# Altium PCB CL-HC-M-V2.1gerber.PcbDoc (part 8 of 18)
Units mil, origin at the board's own origin, x right, y up, seen from the top; angles counter-clockwise.
Board outline 27559.06 x 27559.06 mil, 2 copper layers (TopLayer, BottomLayer); 757 components, 558 nets, 2605 pads, 2186 vias.
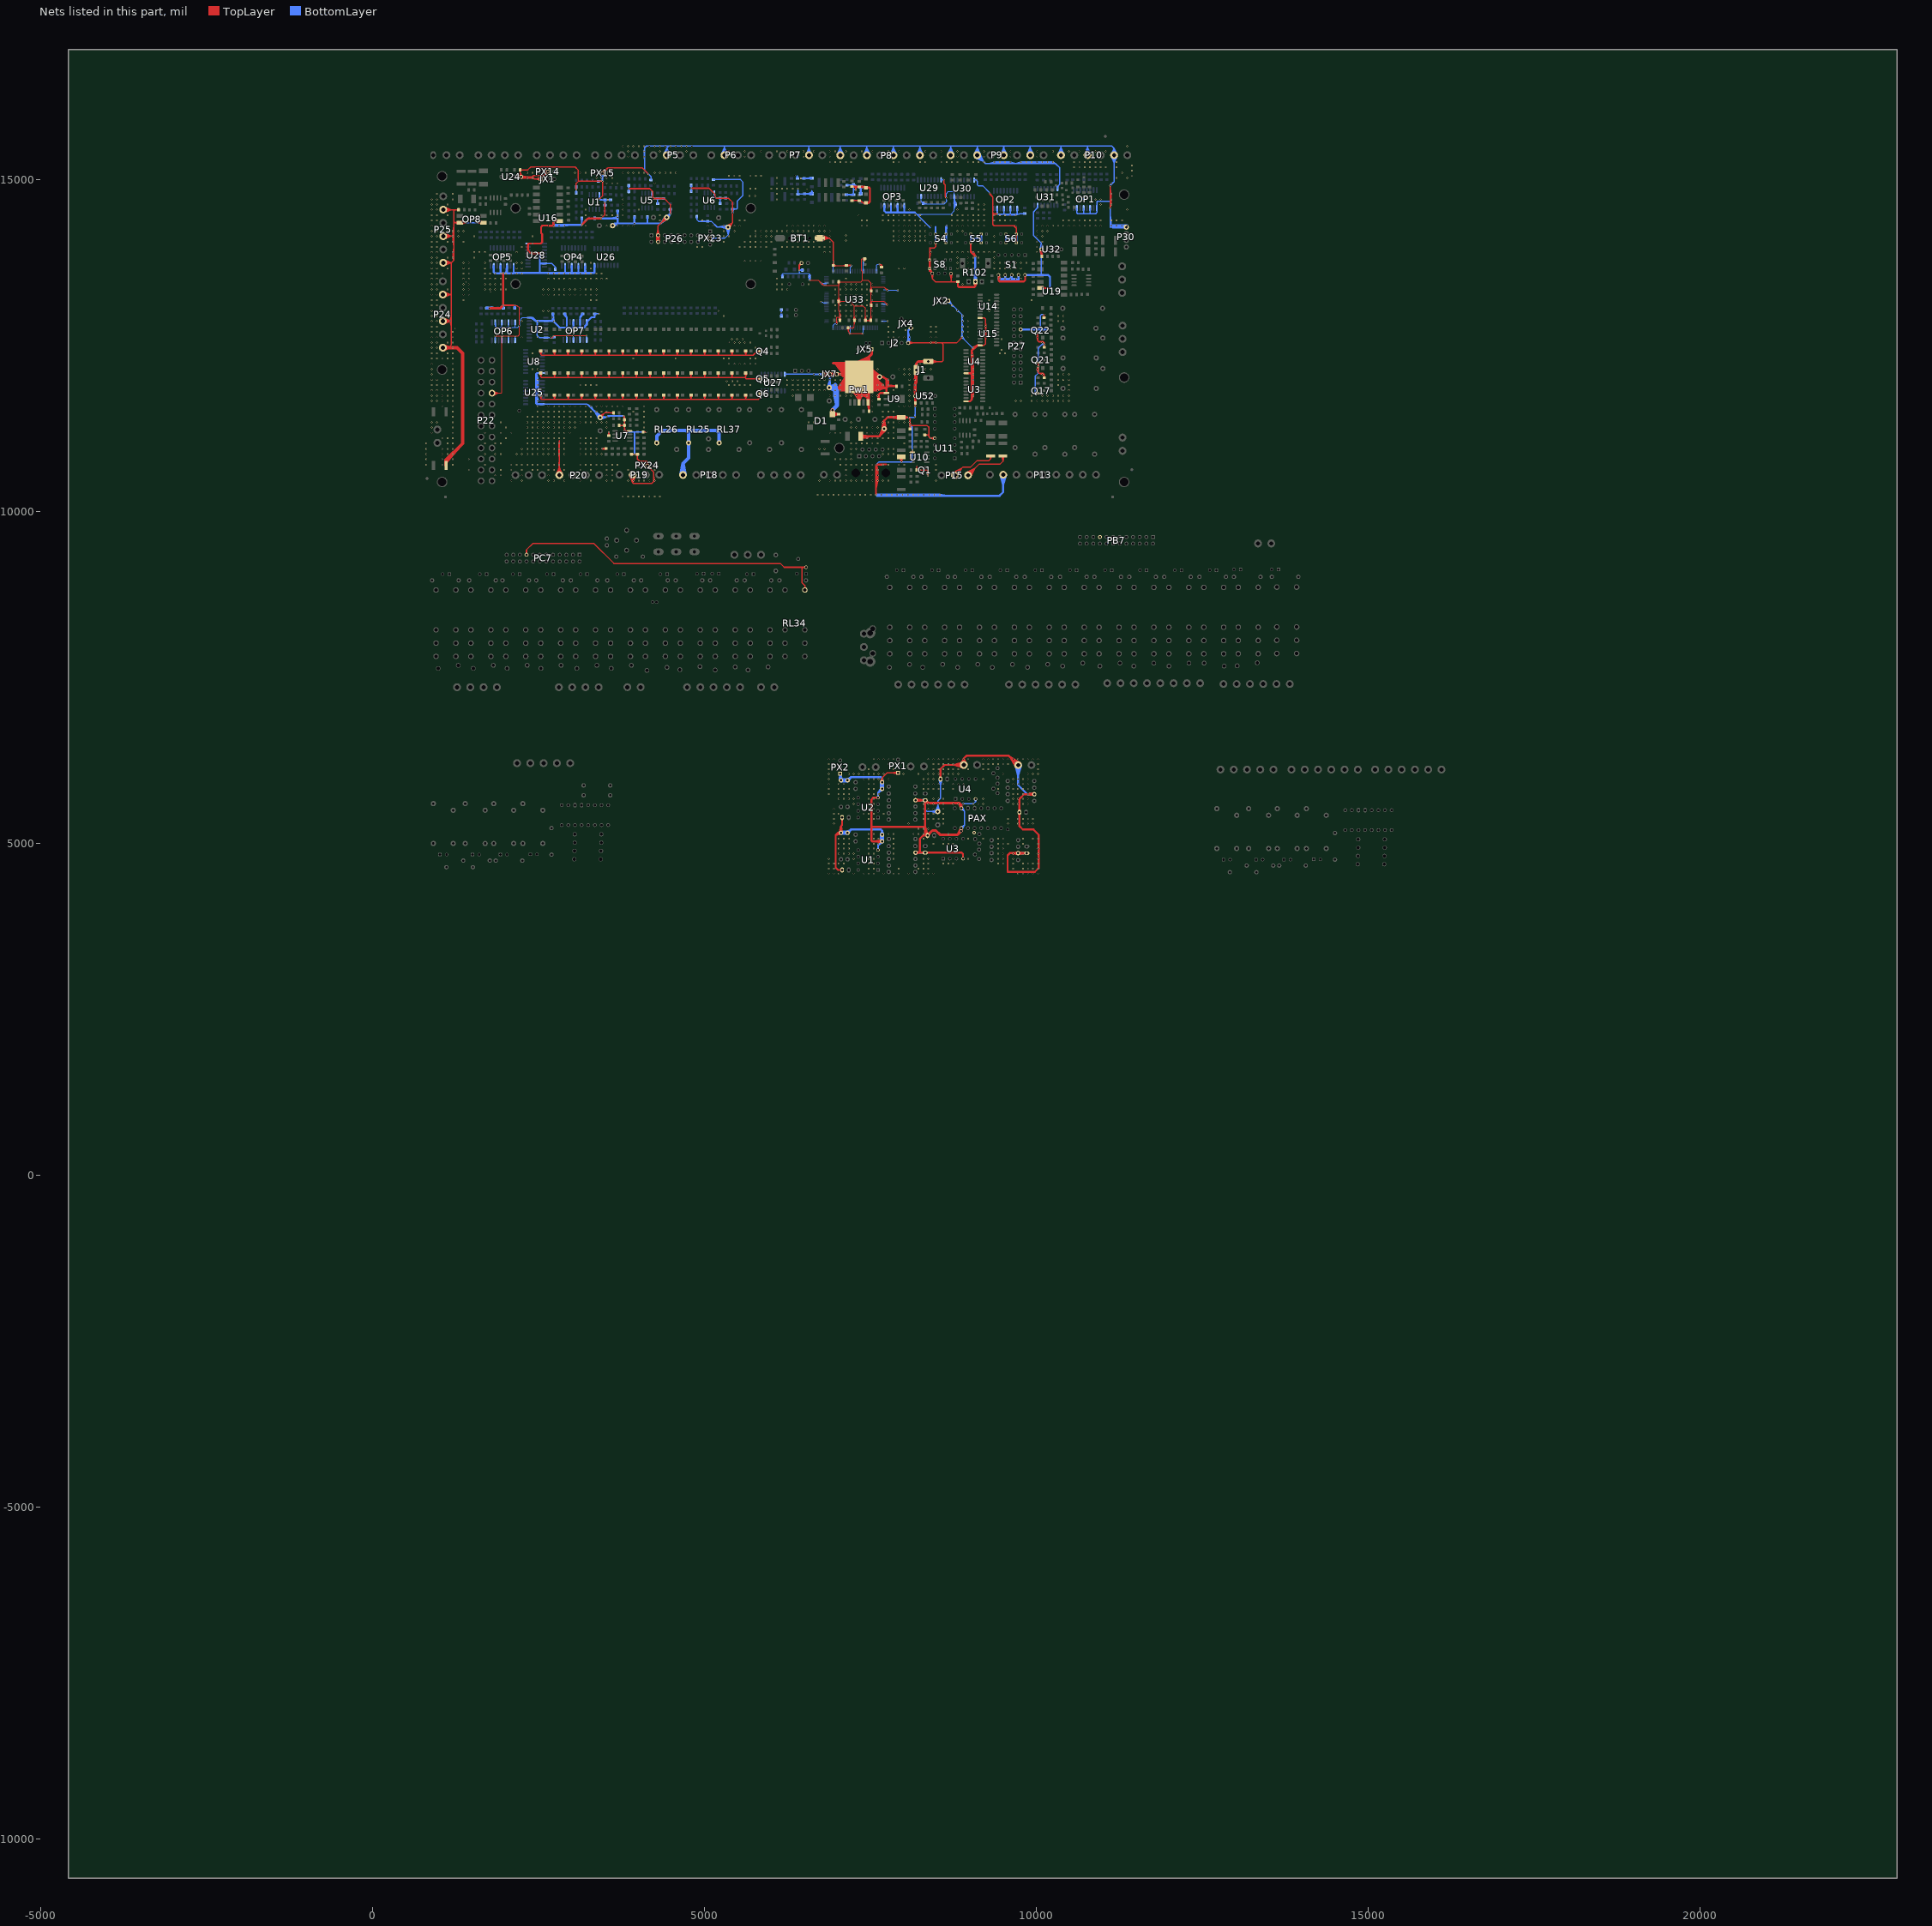
[diagram p8: the nets of this part, all layers, seen from the top]

## Via types
v1: diameter 25, hole 15, TopLayer to BottomLayer, tented both sides, 2146 vias
v2: diameter 20, hole 12, TopLayer to BottomLayer, tented both sides, 24 vias
v3: diameter 25, hole 15, TopLayer to BottomLayer, 13 vias
v4: diameter 50, hole 28, TopLayer to BottomLayer, tented both sides, 2 vias
v5: diameter 40, hole 24, TopLayer to BottomLayer, tented both sides, 1 vias

## Nets (pads, with @x,y where several pads share a name; then routed paths per layer and width w, separated by ;. In a path a pad name is that pad's centre, name@x,y a point inside that pad or via, vN(x,y) a via of type N, cw(c..) or ccw(c..) an arc to the next point about the centre after c; other vN are vias at no path point) (continued)
COM2: LD17.A LD18.A LD19.A LD20.A LD21.A LD22.A LD23.A LD24.A LD25.A LD26.A LD27.A LD28.A LD29.A LD30.A LD31.A LD32.A Q4.1@5836.13,12415.45 | length 6806.9
  TopLayer w20: LD32.A@2520.45,12417.53 2535.32,12363.61 ; LD32.A@2535.32,12419.54 2535.32,12363.61 ; LD32.A@2550.18,12417.53 2535.32,12363.61 ; LD31.A@2726.24,12417.52 2741.11,12363.98 ; LD31.A@2755.97,12417.52 2741.11,12363.98 ; LD30.A@2932.03,12417.52 2946.9,12363.98 ; LD30.A@2961.76,12417.52 2946.9,12363.98 ; LD29.A@3137.82,12417.52 3152.69,12363.98 ; LD29.A@3167.55,12417.52 3152.69,12363.98 ; LD28.A@3343.61,12417.52 3358.48,12363.98 ; LD28.A@3373.34,12417.52 3358.48,12363.98 ; LD27.A@3549.41,12417.52 3564.27,12363.98 ; LD27.A@3579.13,12417.52 3564.27,12363.98 ; LD26.A@3755.2,12417.52 3770.06,12363.98 ; LD26.A@3770.06,12419.54 3770.06,12363.98 ; LD26.A@3784.92,12417.52 3770.06,12363.98 ; LD25.A@3960.99,12417.52 3975.85,12363.98 ; LD25.A@3975.85,12419.54 3975.85,12363.98 ; LD25.A@3990.71,12417.52 3975.85,12363.98 ; LD24.A@4166.78,12417.52 4181.64,12363.98 ; LD24.A@4196.5,12417.52 4181.64,12363.98 ; LD23.A@4372.57,12417.52 4387.43,12363.98 ; LD23.A@4402.29,12417.52 4387.43,12363.98 ; LD22.A@4578.36,12417.52 4593.22,12363.98 ; LD22.A@4593.22,12419.54 4593.22,12363.98 ; LD22.A@4608.08,12417.52 4593.22,12363.98 ; LD21.A@4784.15,12417.52 4799.01,12363.98 ; LD21.A@4799.01,12419.54 4799.01,12363.98 ; LD21.A@4813.87,12417.52 4799.01,12363.98 ; LD20.A@4989.94,12417.52 5004.8,12363.98 ; LD20.A@5019.66,12417.52 5004.8,12363.98 ; LD19.A@5195.73,12417.52 5210.59,12363.98 ; LD19.A@5225.45,12417.52 5210.59,12363.98 ; LD18.A@5401.52,12417.52 5416.38,12363.98 ; LD18.A@5431.24,12417.52 5416.38,12363.98 ; LD17.A@5607.31,12417.52 5622.17,12363.98 ; LD17.A@5622.17,12419.54 5622.17,12363.98 ; LD17.A@5637.04,12417.52 5622.17,12363.98 ; Q4.1@5835.15,12415.45 5797.51,12415.45 ; Q4.1@5836.13,12415.45 5797.51,12415.45 ; 2535.32,12363.61 2545.09,12353.84 2751.25,12353.84 ; 2741.11,12363.98 LD31.A@2741.11,12419.54 2741.11,12363.98 ; 2741.11,12363.98 2751.25,12353.84 ; 2751.25,12353.84 2957.04,12353.84 ; 2946.9,12363.98 LD30.A@2946.9,12419.54 2946.9,12363.98 ; 2946.9,12363.98 2957.04,12353.84 ; 2957.04,12353.84 3162.83,12353.84 ; 3152.69,12363.98 LD29.A@3152.69,12419.54 3152.69,12363.98 ; 3152.69,12363.98 3162.83,12353.84 ; 3162.83,12353.84 3368.62,12353.84 ; 3358.48,12363.98 LD28.A@3358.48,12419.54 3358.48,12363.98 ; 3358.48,12363.98 3368.62,12353.84 ; 3368.62,12353.84 3574.41,12353.84 ; 3564.27,12363.98 LD27.A@3564.27,12419.54 3564.27,12363.98 ; 3564.27,12363.98 3574.41,12353.84 ; 3574.41,12353.84 3780.2,12353.84 ; 3770.06,12363.98 3780.2,12353.84 ; 3780.2,12353.84 3985.99,12353.84 ; 3975.85,12363.98 3985.99,12353.84 ; 3985.99,12353.84 4191.78,12353.84 ; 4181.64,12363.98 LD24.A@4181.64,12419.54 4181.64,12363.98 ; 4181.64,12363.98 4191.78,12353.84 ; 4191.78,12353.84 4397.57,12353.84 ; 4387.43,12363.98 LD23.A@4387.43,12419.54 4387.43,12363.98 ; 4387.43,12363.98 4397.57,12353.84 ; 4397.57,12353.84 4603.36,12353.84 ; 4593.22,12363.98 4603.36,12353.84 ; 4603.36,12353.84 4809.15,12353.84 ; 4799.01,12363.98 4809.15,12353.84 ; 4809.15,12353.84 5014.94,12353.84 ; 5004.8,12363.98 LD20.A@5004.8,12419.54 5004.8,12363.98 ; 5004.8,12363.98 5014.94,12353.84 ; 5014.94,12353.84 5220.73,12353.84 ; 5210.59,12363.98 LD19.A@5210.59,12419.54 5210.59,12363.98 ; 5210.59,12363.98 5220.73,12353.84 ; 5220.73,12353.84 5426.52,12353.84 ; 5416.38,12363.98 LD18.A@5416.38,12419.54 5416.38,12363.98 ; 5416.38,12363.98 5426.52,12353.84 ; 5426.52,12353.84 5612.03,12353.84 ; 5612.03,12353.84 5735.89,12353.84 5797.51,12415.45 ; 5612.03,12353.84 5622.17,12363.98
COM3: LD33.A LD34.A LD35.A LD36.A LD37.A LD38.A LD39.A LD40.A LD41.A LD42.A LD43.A LD44.A LD45.A LD46.A LD47.A LD48.A Q5.1 | length 6552.1
  TopLayer w20: LD48.A@2520.45,12084.55 2535.32,12030.63 ; LD48.A@2535.32,12086.56 2535.32,12030.63 ; LD48.A@2550.18,12084.55 2535.32,12030.63 ; LD47.A@2726.24,12084.53 2741.11,12030.99 ; LD47.A@2755.97,12084.53 2741.11,12030.99 ; LD46.A@2932.03,12084.53 2946.9,12030.99 ; LD46.A@2961.76,12084.53 2946.9,12030.99 ; LD45.A@3137.83,12084.53 3152.69,12030.99 ; 3162.83,12020.85 3152.69,12030.99 ; LD45.A@3167.55,12084.53 3152.69,12030.99 ; LD44.A@3343.62,12084.53 3358.48,12030.99 ; LD44.A@3358.48,12086.56 3358.48,12030.99 ; 3368.62,12020.85 3358.48,12030.99 ; LD44.A@3373.34,12084.53 3358.48,12030.99 ; LD43.A@3549.41,12084.53 3564.27,12030.99 ; LD43.A@3579.13,12084.53 3564.27,12030.99 ; LD42.A@3755.2,12084.53 3770.06,12030.99 ; LD42.A@3770.06,12086.56 3770.06,12030.99 ; LD42.A@3784.92,12084.53 3770.06,12030.99 ; LD41.A@3960.99,12084.53 3975.85,12030.99 ; LD41.A@3975.85,12086.56 3975.85,12030.99 ; LD41.A@3990.71,12084.53 3975.85,12030.99 ; LD40.A@4166.78,12084.53 4181.64,12030.99 ; LD40.A@4181.64,12086.56 4181.64,12030.99 ; 4191.78,12020.85 4181.64,12030.99 ; LD40.A@4196.5,12084.53 4181.64,12030.99 ; LD39.A@4372.57,12084.53 4387.43,12030.99 ; LD39.A@4387.43,12086.56 4387.43,12030.99 ; 4397.57,12020.85 4387.43,12030.99 ; LD39.A@4402.29,12084.53 4387.43,12030.99 ; LD38.A@4578.36,12084.53 4593.22,12030.99 ; LD38.A@4593.22,12086.56 4593.22,12030.99 ; LD38.A@4608.08,12084.53 4593.22,12030.99 ; LD37.A@4784.15,12084.53 4799.01,12030.99 ; LD37.A@4799.01,12086.56 4799.01,12030.99 ; LD37.A@4813.87,12084.53 4799.01,12030.99 ; LD36.A@4989.94,12084.53 5004.8,12030.99 ; LD36.A@5019.66,12084.53 5004.8,12030.99 ; LD35.A@5195.73,12084.53 5210.59,12030.99 ; LD35.A@5210.59,12086.56 5210.59,12030.99 ; 5220.73,12020.85 5210.59,12030.99 ; LD35.A@5225.45,12084.53 5210.59,12030.99 ; LD34.A@5401.52,12084.53 5416.38,12030.99 ; LD34.A@5416.38,12086.56 5416.38,12030.99 ; 5426.52,12020.85 5416.38,12030.99 ; LD34.A@5431.24,12084.53 5416.38,12030.99 ; LD33.A@5607.31,12084.53 5622.17,12030.99 ; LD33.A@5622.17,12086.56 5622.17,12030.99 ; LD33.A@5637.04,12084.53 5622.17,12030.99 ; 5757.43,12000.45 Q5.1@5835.15,12000.45 ; Q5.1@5836.13,12000.45 5632.44,12000.45 5612.03,12020.85 ; 2535.32,12030.63 2545.09,12020.85 2751.25,12020.85 ; 2741.11,12030.99 2751.25,12020.85 ; 2741.11,12030.99 LD47.A@2741.11,12086.56 2741.11,12030.99 ; 2751.25,12020.85 2957.04,12020.85 ; 2946.9,12030.99 2957.04,12020.85 ; 2946.9,12030.99 LD46.A@2946.9,12086.56 2946.9,12030.99 ; 2957.04,12020.85 3574.41,12020.85 ; 3152.69,12030.99 LD45.A@3152.69,12086.56 3152.69,12030.99 ; 3564.27,12030.99 3574.41,12020.85 ; 3564.27,12030.99 LD43.A@3564.27,12086.56 3564.27,12030.99 ; 3574.41,12020.85 3780.2,12020.85 ; 3770.06,12030.99 3780.2,12020.85 ; 3780.2,12020.85 3985.99,12020.85 ; 3975.85,12030.99 3985.99,12020.85 ; 3985.99,12020.85 4603.36,12020.85 ; 4593.22,12030.99 4603.36,12020.85 ; 4603.36,12020.85 4809.15,12020.85 ; 4799.01,12030.99 4809.15,12020.85 ; 4809.15,12020.85 5014.94,12020.85 ; 5004.8,12030.99 5014.94,12020.85 ; 5004.8,12030.99 LD36.A@5004.8,12086.56 5004.8,12030.99 ; 5014.94,12020.85 5612.03,12020.85 ; 5612.03,12020.85 5622.17,12030.99
COM4: LD49.A LD50.A LD51.A LD52.A LD53.A LD54.A LD55.A LD56.A LD57.A LD58.A LD59.A LD60.A LD61.A LD62.A LD63.A LD64.A Q6.1 | length 6816.8
  TopLayer w20: LD64.A@2521,11751.56 2535.86,11697.65 ; LD64.A@2535.86,11753.58 2535.86,11697.65 ; LD64.A@2550.73,11751.56 2535.86,11697.65 ; LD63.A@2726.79,11751.55 2741.65,11698.01 ; LD63.A@2756.51,11751.55 2741.65,11698.01 ; LD62.A@2932.58,11751.55 2947.44,11698.01 ; LD62.A@2962.3,11751.55 2947.44,11698.01 ; LD61.A@3138.37,11751.55 3153.23,11698.01 ; LD61.A@3168.09,11751.55 3153.23,11698.01 ; LD60.A@3344.16,11751.55 3359.02,11698.01 ; LD60.A@3373.88,11751.55 3359.02,11698.01 ; LD59.A@3549.95,11751.55 3564.81,11698.01 ; LD59.A@3579.68,11751.55 3564.81,11698.01 ; LD58.A@3755.74,11751.55 3770.6,11698.01 ; LD58.A@3770.6,11753.58 3770.6,11698.01 ; LD58.A@3785.47,11751.55 3770.6,11698.01 ; LD57.A@3961.53,11751.55 3976.39,11698.01 ; LD57.A@3976.39,11753.58 3976.39,11698.01 ; LD57.A@3991.26,11751.55 3976.39,11698.01 ; LD56.A@4167.32,11751.55 4182.19,11698.01 ; LD56.A@4197.05,11751.55 4182.19,11698.01 ; LD55.A@4373.11,11751.55 4387.98,11698.01 ; LD55.A@4402.84,11751.55 4387.98,11698.01 ; LD54.A@4578.9,11751.55 4593.77,11698.01 ; LD54.A@4593.77,11753.58 4593.77,11698.01 ; LD54.A@4608.63,11751.55 4593.77,11698.01 ; LD53.A@4784.69,11751.55 4799.56,11698.01 ; LD53.A@4799.56,11753.58 4799.56,11698.01 ; LD53.A@4814.42,11751.55 4799.56,11698.01 ; LD52.A@4990.48,11751.55 5005.35,11698.01 ; LD52.A@5020.21,11751.55 5005.35,11698.01 ; LD51.A@5196.27,11751.55 5211.14,11698.01 ; LD51.A@5226,11751.55 5211.14,11698.01 ; LD50.A@5402.06,11751.55 5416.93,11698.01 ; LD50.A@5431.79,11751.55 5416.93,11698.01 ; LD49.A@5607.85,11751.55 5622.72,11698.01 ; LD49.A@5622.72,11753.58 5622.72,11698.01 ; LD49.A@5637.58,11751.55 5622.72,11698.01 ; Q6.1@5836.13,11775.45 5836.13,11711.73 5812.27,11687.87 5612.58,11687.87 ; 2535.86,11697.65 2545.64,11687.87 2751.79,11687.87 ; 2741.65,11698.01 2751.79,11687.87 ; 2741.65,11698.01 LD63.A@2741.65,11753.58 2741.65,11698.01 ; 2751.79,11687.87 2957.58,11687.87 ; 2947.44,11698.01 2957.58,11687.87 ; 2947.44,11698.01 LD62.A@2947.44,11753.58 2947.44,11698.01 ; 2957.58,11687.87 3163.37,11687.87 ; 3153.23,11698.01 3163.37,11687.87 ; 3153.23,11698.01 LD61.A@3153.23,11753.58 3153.23,11698.01 ; 3163.37,11687.87 3369.16,11687.87 ; 3359.02,11698.01 3369.16,11687.87 ; 3359.02,11698.01 LD60.A@3359.02,11753.58 3359.02,11698.01 ; 3369.16,11687.87 3574.95,11687.87 ; 3564.81,11698.01 3574.95,11687.87 ; 3564.81,11698.01 LD59.A@3564.81,11753.58 3564.81,11698.01 ; 3574.95,11687.87 3780.74,11687.87 ; 3770.6,11698.01 3780.74,11687.87 ; 3780.74,11687.87 3986.53,11687.87 ; 3976.39,11698.01 3986.53,11687.87 ; 3986.53,11687.87 4192.32,11687.87 ; 4182.19,11698.01 4192.32,11687.87 ; 4182.19,11698.01 LD56.A@4182.18,11753.58 4182.19,11698.01 ; 4192.32,11687.87 4398.11,11687.87 ; 4387.98,11698.01 4398.11,11687.87 ; 4387.98,11698.01 LD55.A@4387.97,11753.58 4387.98,11698.01 ; 4398.11,11687.87 4603.91,11687.87 ; 4593.77,11698.01 4603.91,11687.87 ; 4603.91,11687.87 4809.7,11687.87 ; 4799.56,11698.01 4809.7,11687.87 ; 4809.7,11687.87 5015.49,11687.87 ; 5005.35,11698.01 5015.49,11687.87 ; 5005.35,11698.01 LD52.A@5005.35,11753.58 5005.35,11698.01 ; 5015.49,11687.87 5221.28,11687.87 ; 5211.14,11698.01 5221.28,11687.87 ; 5211.14,11698.01 LD51.A@5211.14,11753.58 5211.14,11698.01 ; 5221.28,11687.87 5427.07,11687.87 ; 5416.93,11698.01 5427.07,11687.87 ; 5416.93,11698.01 LD50.A@5416.93,11753.58 5416.93,11698.01 ; 5427.07,11687.87 5612.58,11687.87 ; 5612.58,11687.87 5622.72,11698.01
C变频: P18.5 RL25.3 RL26.4 RL37.4 | length 2478.1
  BottomLayer w50: RL26.4@4282.76,11035.04 4282.76,11139.56 4363.92,11220.72 4720.78,11220.72 ; P18.5@4643.97,10555.03 4677.86,10723.85 ; P18.5@4711.75,10555.03 4677.86,10723.85 ; RL37.4@5222.76,11035.04 5222.76,11179.97 5182.01,11220.72 4720.78,11220.72 ; 4677.86,10723.85 4762.76,10808.74 RL25.3@4762.76,11035.04 4762.76,11178.74 4720.78,11220.72 ; 4677.86,10723.85 P18.5@4677.86,10551.66 4677.86,10723.85
C情报输出: 
EX_A1: F11.1 P15.3 | length 1513.8
  TopLayer w20: P15.3@8944.13,10585.74 9073.86,10647.12 ; P15.3@8954.02,10568.16 9073.86,10647.12 ; P15.3@8972.38,10545.64 9142.9,10716.16 9457.65,10716.16 9498.46,10756.97 ; P15.3@8994.89,10527.28 9073.86,10647.12 ; P15.3@9012.48,10517.39 9073.86,10647.12 ; F11.1@9484.88,10837.37 9498.46,10756.97 ; F11.1@9512.03,10837.37 9498.46,10756.97 ; 9498.46,10756.97 F11.1@9498.46,10838.51 9498.46,10756.97
EX_B1: F10.1 P15.2 | length 1352.4
  TopLayer w20: P15.2@8744.13,10585.74 8873.86,10647.12 ; P15.2@8754.02,10568.16 8873.86,10647.12 ; P15.2@8772.38,10545.64 8897.38,10670.64 9013,10670.64 9110.72,10768.36 9287.38,10768.36 9312.92,10793.9 ; P15.2@8794.89,10527.28 8873.86,10647.12 ; P15.2@8812.48,10517.39 8873.86,10647.12 ; F10.1@9299.45,10836.81 9312.92,10793.9 ; F10.1@9312.92,10838.87 9312.92,10793.9 ; F10.1@9326.38,10836.81 9312.92,10793.9
GND: BT1.2 C1.2 C2.2 C3.2 C4.2 C5.2 C6.2 C7.2 C8.2 C9.2 C10.2 C11.2 C13.2 C14.2 C15.2 C19.1 C20.1 C21.2 C22.2 C23.2 C24.2 C25.2 C26.2 C27.2 C28.2 C29.2 C30.2 C31.2 C32.2 C37.1 C38.2 C39.1 C40.2 C41.2 C42.2 C43.2 C44.2 C45.2 C46.2 C47.2 C48.2 C49.2 C50.2 C53.1 C54.1 C55.2 C60.1 C61.1 C64.1 C65.1 C66.1 C67.1 C69.1 C70.1 C71.1 C72.2 C73.2 C74.1 C75.1 C76.1 C77.1 C78.1 C79.2 C80.2 C81.2 C82.1 C83.1 C84.1 C85.2 C86.2 C87.2 C88.2 D1.4 D2.A D3.A D110.K DW1.A DW2.A DW3.A DW4.A DW5.A DW6.A DZ1.A F17.1 J1.2 J1.3 J2.5 JX1.1 JX2.1 JX4.1 JX5.1 JX7.1 JX7.2 JX7.3 OP1.9 OP1.11 OP1.13 OP1.15 OP2.9 OP2.11 OP2.13 OP2.15 OP3.9 OP3.11 OP3.13 OP3.15 OP4.9 OP4.11 OP4.13 OP4.15 OP5.9 OP5.11 OP5.13 OP5.15 OP6.2 OP6.4 OP6.6 OP6.8 OP6.9 OP6.11 OP6.13 OP6.15 OP7.2 OP7.4 OP7.6 OP7.8 OP7.9 OP7.11 OP7.13 OP7.15 OP8.2 OP8.3 P5.3 P6.3 P7.2 P8.1 P8.3 P8.5 P8.7 P9.1 P9.3 P9.5 P9.7 P10.1 P10.3 P10.5 P13.2 P19.2 P20.4 P22.8 P24.1 P24.3 P24.5 P25.1 P25.3 P25.5 P26.3 P26.4 P27.17 P30.4 pad.1@6929.54,11528.21 pad.2@8435.27,13586.65 pad.5 PAX.3@8872.68,5530.32 PAX.4@8872.68,5230.32 PB3.2@8908.14,6181.68 PB4.2@9728.14,6179.36 PB7.17 PC7.17 Pw1.3 Pw1.5 PX1.1 PX2.1 PX14.2 PX15.2 PX23.2 PX24.2 Q1.3@8364.78,10574.8 Q17.3 Q21.3 Q22.3 R2.1@7677.03,5030.61 R3.1@7678.6,5130.61 R4.1 R5.1@6410.11,14782 R6.1@7149.13,14917.19 R7.2@7158.14,5159.88 R9.1@7057.77,5159.88 R11.1@7138.04,14774.21 R12.1 R13.1 R14.1@8180.58,5649.72 R17.2@7158.14,5949.88 R19.1@7057.77,5949.88 R24.1@9728.66,4852.51 R28.1@9971.87,5739.72 R36.1 R60.1 R61.2 R102.2 R103.1 R111.1 R112.1 R113.1 R114.1 R131.1 R132.1 R133.1 R134.1 R153.2@1296.07,14546.26 R154.2@1721.9,13065.24 R155.2@1799.26,13065.36 R156.2@1970.4,13065.36 R157.2@2142.5,13065.24 R252.2 R253.2 R254.2 R255.2 R275.1 R276.1 R284.1 RESET1.2 RL34.1 S1.6 S1.7 S1.8 S1.9 S1.10 S4.2 S5.2 S6.2 S8.1 U1.4 U2.4@7617.03,5689.36 U2.8@2362.38,12920.5 U2.10 U2.15 U3.4@8898.14,4768.99 U3.8@8944.27,11659.99 U4.4@9085.07,5669.36 U4.8@8944.27,12083.43 U5.4 U6.4 U7.4 U8.8 U9.1 U10.5 U11.5 U14.8 U15.8 U16.3 U19.3 U24.1 U25.8 U26.8 U27.8 U28.8 U28.15 U29.8 U29.15 U30.8 U30.15 U31.8 U31.15 U32.1 U33.16 U33.30 U33.31 U33.38 U33.51 U33.61 U33.71 U33.83 U33.94 U33.107 U33.120 U33.130 U33.143 U52.1 | length 295788.4
  TopLayer w10: v1(6585.22,13487.15) 6716.65,13487.15 v1(6762.12,13441.67) ; v1@6585.88,13479.68 6627.72,13487.15 v1@6585.88,13494.62 ; v1@6756.42,13436.8 6728.41,13475.39 ; v1@6757.25,13435.97 6795.59,13408.2 ; v1@6766.99,13447.38 6728.41,13475.39 ; v1@6767.83,13446.54 6795.59,13408.2 ; C70.1@6943.65,13707.58 R103.1@7140.5,13707.58 7209.36,13707.58 v1(7212.48,13710.7) ; C70.1@6948.65,13707.58 6998.65,13707.58 ; C70.1@6950.9,13692.75 6998.65,13707.58 ; C70.1@6950.9,13722.41 6998.65,13707.58 ; v1@6987.79,12830.94 6995.26,12872.78 v1@7002.73,12830.94 ; v1(6995.26,12830.28) 6995.26,12924.39 7000.41,12929.54 7042.28,12929.54 ; C71.1@7009.95,13158.64 7024.78,13110.89 ; C71.1@7009.95,13173.14 7024.78,13220.89 ; C64.1@7009.97,13453.67 7024.78,13407.87 ; C71.1@7024.78,13160.89 7024.78,13110.89 ; C71.1@7024.78,13170.89 7024.78,13220.89 ; C64.1@7024.78,13456 7024.78,13407.87 ; C71.1@7027.03,13151.06 7074.78,13165.89 C71.1@7027.03,13180.72 ; C64.1@7027.03,13446.17 7074.78,13461 C64.1@7027.03,13475.83 ; C61.1@7027.51,12888.65 7042.28,12929.54 ; C64.1@7039.6,13453.67 7024.78,13407.87 ; C71.1@7039.61,13158.64 7024.78,13110.89 ; C71.1@7039.61,13173.14 7024.78,13220.89 ; C61.1@7042.28,12881.06 7042.28,12929.54 ; C61.1@7042.28,12886.06 7042.28,12929.54 ; v1@7043.68,12945.13 7042.28,12990.31 ; v1@7043.95,12948.14 7042.28,12929.54 ; v1@7056.89,12941.17 7042.28,12929.54 ; C61.1@7057.06,12888.65 7042.28,12929.54 ; v1@7058.34,12948.05 7042.28,12990.31 ; R103.1@7133.25,13692.75 7085.5,13707.58 ; R103.1@7133.25,13722.41 7085.5,13707.58 ; R103.1@7135.5,13707.58 7085.5,13707.58 ; R103.1@7145.5,13707.58 7195.5,13707.58 ; R103.1@7147.75,13692.75 7195.5,13707.58 ; R103.1@7147.75,13722.41 7195.5,13707.58 ; R36.1@7151.62,12760.9 7166.44,12715.45 ; R36.1@7166.44,12763.25 7166.44,12715.45 ; R36.1@7168.69,12753.42 7216.44,12768.25 R36.1@7168.69,12783.08 ; R36.1@7181.25,12760.9 7166.44,12715.45 ; v1@7184.3,12677.52 7166.44,12715.45 ; v1@7191.43,12673.84 7233.27,12681.31 v1@7191.43,12688.78 ; v1@7196.47,12686.2 7166.44,12715.45 ; v1@7209.98,13717.77 7170.71,13699.88 ; v1@7210.9,13703.37 R103.1@7164.07,13717.34 ; v1@7212.93,13718.19 R103.1@7164.07,13717.34 ; v1@7213.73,13703.3 7170.71,13699.88 ; C60.1@7247.67,12873.81 7262.5,12826.06 ; C60.1@7247.67,12888.31 7262.5,12936.06 ; C60.1@7262.5,12876.06 7262.5,12826.06 ; C60.1@7262.5,12886.06 7262.5,12936.06 ; C60.1@7277.33,12873.81 7262.5,12826.06 ; C60.1@7277.33,12888.31 7262.5,12936.06 ; v1@7288.85,13113.13 7262.5,13100.78 ; v1@7290.88,13098.49 7334.44,13100.78 ; v1@7291.51,13098.49 7262.5,13100.78 ; v1@7292.67,13113.32 7334.44,13100.78 ; v1@7369.6,13113.32 7327.81,13100.78 ; v1@7370.59,13098.5 7390.93,13100.78 ; v1@7371.38,13098.49 7327.81,13100.78 ; v1@7374.34,13112.76 7390.93,13100.78 ; v1@7386.96,12673.84 7345.12,12681.31 v1@7386.96,12688.78 ; v1(7387.62,12681.31) v1(7190.77,12681.31) ; v1@7396.19,13773.7 C69.1@7395.48,13808.08 ; v1@7396.49,13776.96 C69.1@7410.48,13808.37 ; v1@7398.14,13779.79 C69.1@7424.17,13802.25 ; C69.1@7406.98,13793.78 7378.33,13808.37 ; C69.1@7406.98,13822.95 7378.33,13808.37 ; v1@7410.1,13770.88 C69.1@7424.17,13802.25 ; v1@7410.68,13777.24 C69.1@7395.48,13808.08 ; v1@7411.1,13773.99 C69.1@7410.48,13808.37 ; C84.1@7412.75,12887.41 7427.58,12935.16 ; C84.1@7427.58,12885.16 7427.58,12935.16 ; C84.1@7429.83,12865.33 7477.58,12880.16 C84.1@7429.83,12894.99 ; C84.1@7442.41,12887.41 7427.58,12935.16 ; C66.1@7491.13,12890.37 7512.67,12937.25 ; C67.1@7497.83,13100.14 7512.67,13052.39 ; C67.1@7497.83,13114.64 7512.67,13162.39 ; C65.1@7497.83,13316.67 7512.67,13268.92 ; C65.1@7497.83,13331.17 7512.67,13378.92 ; C66.1@7502.98,12895.94 7455.51,12880.16 ; C66.1@7503.57,12866.28 7455.51,12880.16 ; C66.1@7505.53,12886.15 7512.67,12937.25 ; C67.1@7512.67,13102.39 7512.67,13052.39 ; C67.1@7512.67,13112.39 7512.67,13162.39 ; C65.1@7512.67,13318.92 7512.67,13268.92 ; C65.1@7512.67,13328.92 7512.67,13378.92 ; C66.1@7520.53,12886.26 7512.67,12937.25 ; C67.1@7527.5,13100.14 7512.67,13052.39 ; C67.1@7527.5,13114.64 7512.67,13162.39 ; C65.1@7527.5,13316.67 7512.67,13268.92 ; C65.1@7527.5,13331.17 7512.67,13378.92 ; v1(7634.65,13726.42) 7664.02,13726.42 ; v1@7635.61,13718.98 7664.02,13726.42 ; v1@7635.61,13733.86 7664.02,13726.42 ; C76.1@7654.43,13683.78 7669.17,13721.27 ; C76.1@7669.17,13680.99 7669.17,13721.27 ; C76.1@7683.91,13683.78 7669.17,13721.27 ; v1@7750.52,13109.55 7722.51,13148.13 ; v1@7752.17,13329.75 7724.17,13368.33 ; v1@7761.09,13120.12 7722.51,13148.13 ; v1@7762.75,13340.33 7724.17,13368.33 ; S4.2@8483.71,14180.31 S4.2@8484.02,14180 ; 6728.41,13475.39 v1(6762.12,13441.67) ; v1(6762.12,13441.67) 6795.59,13408.2 ; 6795.59,13408.2 7024.45,13408.2 7024.78,13407.87 ; C71.1@7024.78,13165.89 7024.78,13023.67 7042.28,13006.17 7042.28,12929.54 ; C71.1@7024.78,13165.89 7197.39,13165.89 7262.5,13100.78 ; C71.1@7024.78,13165.89 7024.78,13407.87 ; 7024.78,13407.87 C64.1@7024.78,13461 7360.24,13461 7383.25,13484.02 ; 7042.28,12929.54 v1(7051.13,12945.98) 7042.28,12990.31 ; R103.1@7164.07,13717.34 v1(7212.48,13710.7) ; 7166.44,12715.45 7190.77,12691.12 v1(7190.77,12681.31) ; 7166.44,12715.45 R36.1@7166.44,12768.25 7244.65,12768.25 7262.5,12786.1 C60.1@7262.5,12881.06 7262.5,13100.78 ; 7166.44,12715.45 v1(7190.77,12681.31) ; 7169.64,13707.58 7212.37,13703.2 7169.73,13707.58 ; 7169.64,13707.58 7211.29,13718.1 7169.73,13707.58 ; 7169.64,13707.58 v1(7212.48,13710.7) ; 7169.73,13707.58 v1(7212.48,13710.7) ; 7170.71,13699.88 v1(7212.48,13710.7) ; 7195.5,13707.58 v1@7212.2,13703.2 ; 7195.5,13707.58 v1@7209.56,13717.61 ; 7195.5,13707.58 v1(7212.48,13710.7) ; 7195.5,13707.58 v1@7212.2,13703.2 ; 7195.5,13707.58 v1@7209.56,13717.61 ; 7195.5,13707.58 v1(7212.48,13710.7) ; 7195.5,13707.58 v1@7212.2,13703.2 ; 7195.5,13707.58 v1@7209.56,13717.61 ; 7195.5,13707.58 v1(7212.48,13710.7) ; 7262.5,13100.78 7390.93,13100.78 ; 7262.5,13100.78 v1(7291.13,13105.98) 7334.44,13100.78 ; 7327.81,13100.78 v1(7371.13,13105.98) 7390.93,13100.78 ; 7378.33,13808.37 C69.1@7415.48,13808.37 ; 7378.33,13808.37 7372.26,13802.29 7372.26,13624.79 7383.25,13613.8 7383.25,13484.02 ; 7378.33,13808.37 C69.1@7410.48,13808.37 ; 7383.25,13484.02 7469.32,13484.02 7512.67,13440.68 7512.67,13385.04 ; 7390.93,13100.78 7427.58,13064.12 C84.1@7427.58,12880.16 7504.53,12880.16 C66.1@7505.53,12881.15 ; C69.1@7395.48,13808.08 v1(7403.63,13774.68) ; C69.1@7401.39,13803.22 7415.48,13786.52 ; C69.1@7401.39,13803.22 7415.48,13786.52 ; C69.1@7401.39,13803.22 7396.14,13775.07 C69.1@7401.39,13803.22 ; C69.1@7401.39,13803.22 7410.96,13776.24 C69.1@7401.39,13803.22 ; C69.1@7401.39,13803.22 v1(7403.63,13774.68) ; C69.1@7401.39,13803.22 v1(7403.63,13774.68) ; v1(7403.63,13774.68) 7415.48,13786.52 ; v1(7403.63,13774.68) C69.1@7424.17,13802.25 ; v1(7403.63,13774.68) C69.1@7410.48,13808.37 ; v1(7403.63,13774.68) C69.1@7415.48,13808.37 ; v1(7403.63,13774.68) C69.1@7429.56,13803.22 ; v1(7403.63,13774.68) C69.1@7415.48,13808.37 ; v1(7403.63,13774.68) C69.1@7429.56,13803.22 ; 7415.48,13786.52 C69.1@7415.48,13808.37 ; 7415.48,13786.52 C69.1@7429.56,13803.22 ; 7415.48,13786.52 C69.1@7415.48,13808.37 ; 7415.48,13786.52 C69.1@7429.56,13803.22 ; C69.1@7415.48,13808.37 7396.85,13777.89 C69.1@7415.48,13808.37 ; C69.1@7415.48,13808.37 7410.93,13772.94 C69.1@7415.48,13808.37 ; C69.1@7429.56,13803.22 7398.59,13780.23 C69.1@7429.56,13803.22 ; C69.1@7429.56,13803.22 7409.64,13770.2 C69.1@7429.56,13803.22 ; 7455.51,12880.16 C66.1@7505.53,12881.15 ; C66.1@7505.53,12881.15 7512.67,12888.29 C67.1@7512.67,13107.39 7512.67,13167.51 ; 7512.67,13167.51 7513.13,13167.05 7703.59,13167.05 v1(7756.22,13114.42) 7722.51,13148.13 ; 7512.67,13167.51 C65.1@7512.67,13323.92 7512.67,13385.04 ; 7512.67,13385.04 7707.46,13385.04 v1(7757.88,13334.62) 7724.17,13368.33 ; 7664.02,13726.42 7669.17,13721.27